# KiCad board FC_V5c.kicad_pcb (continued)
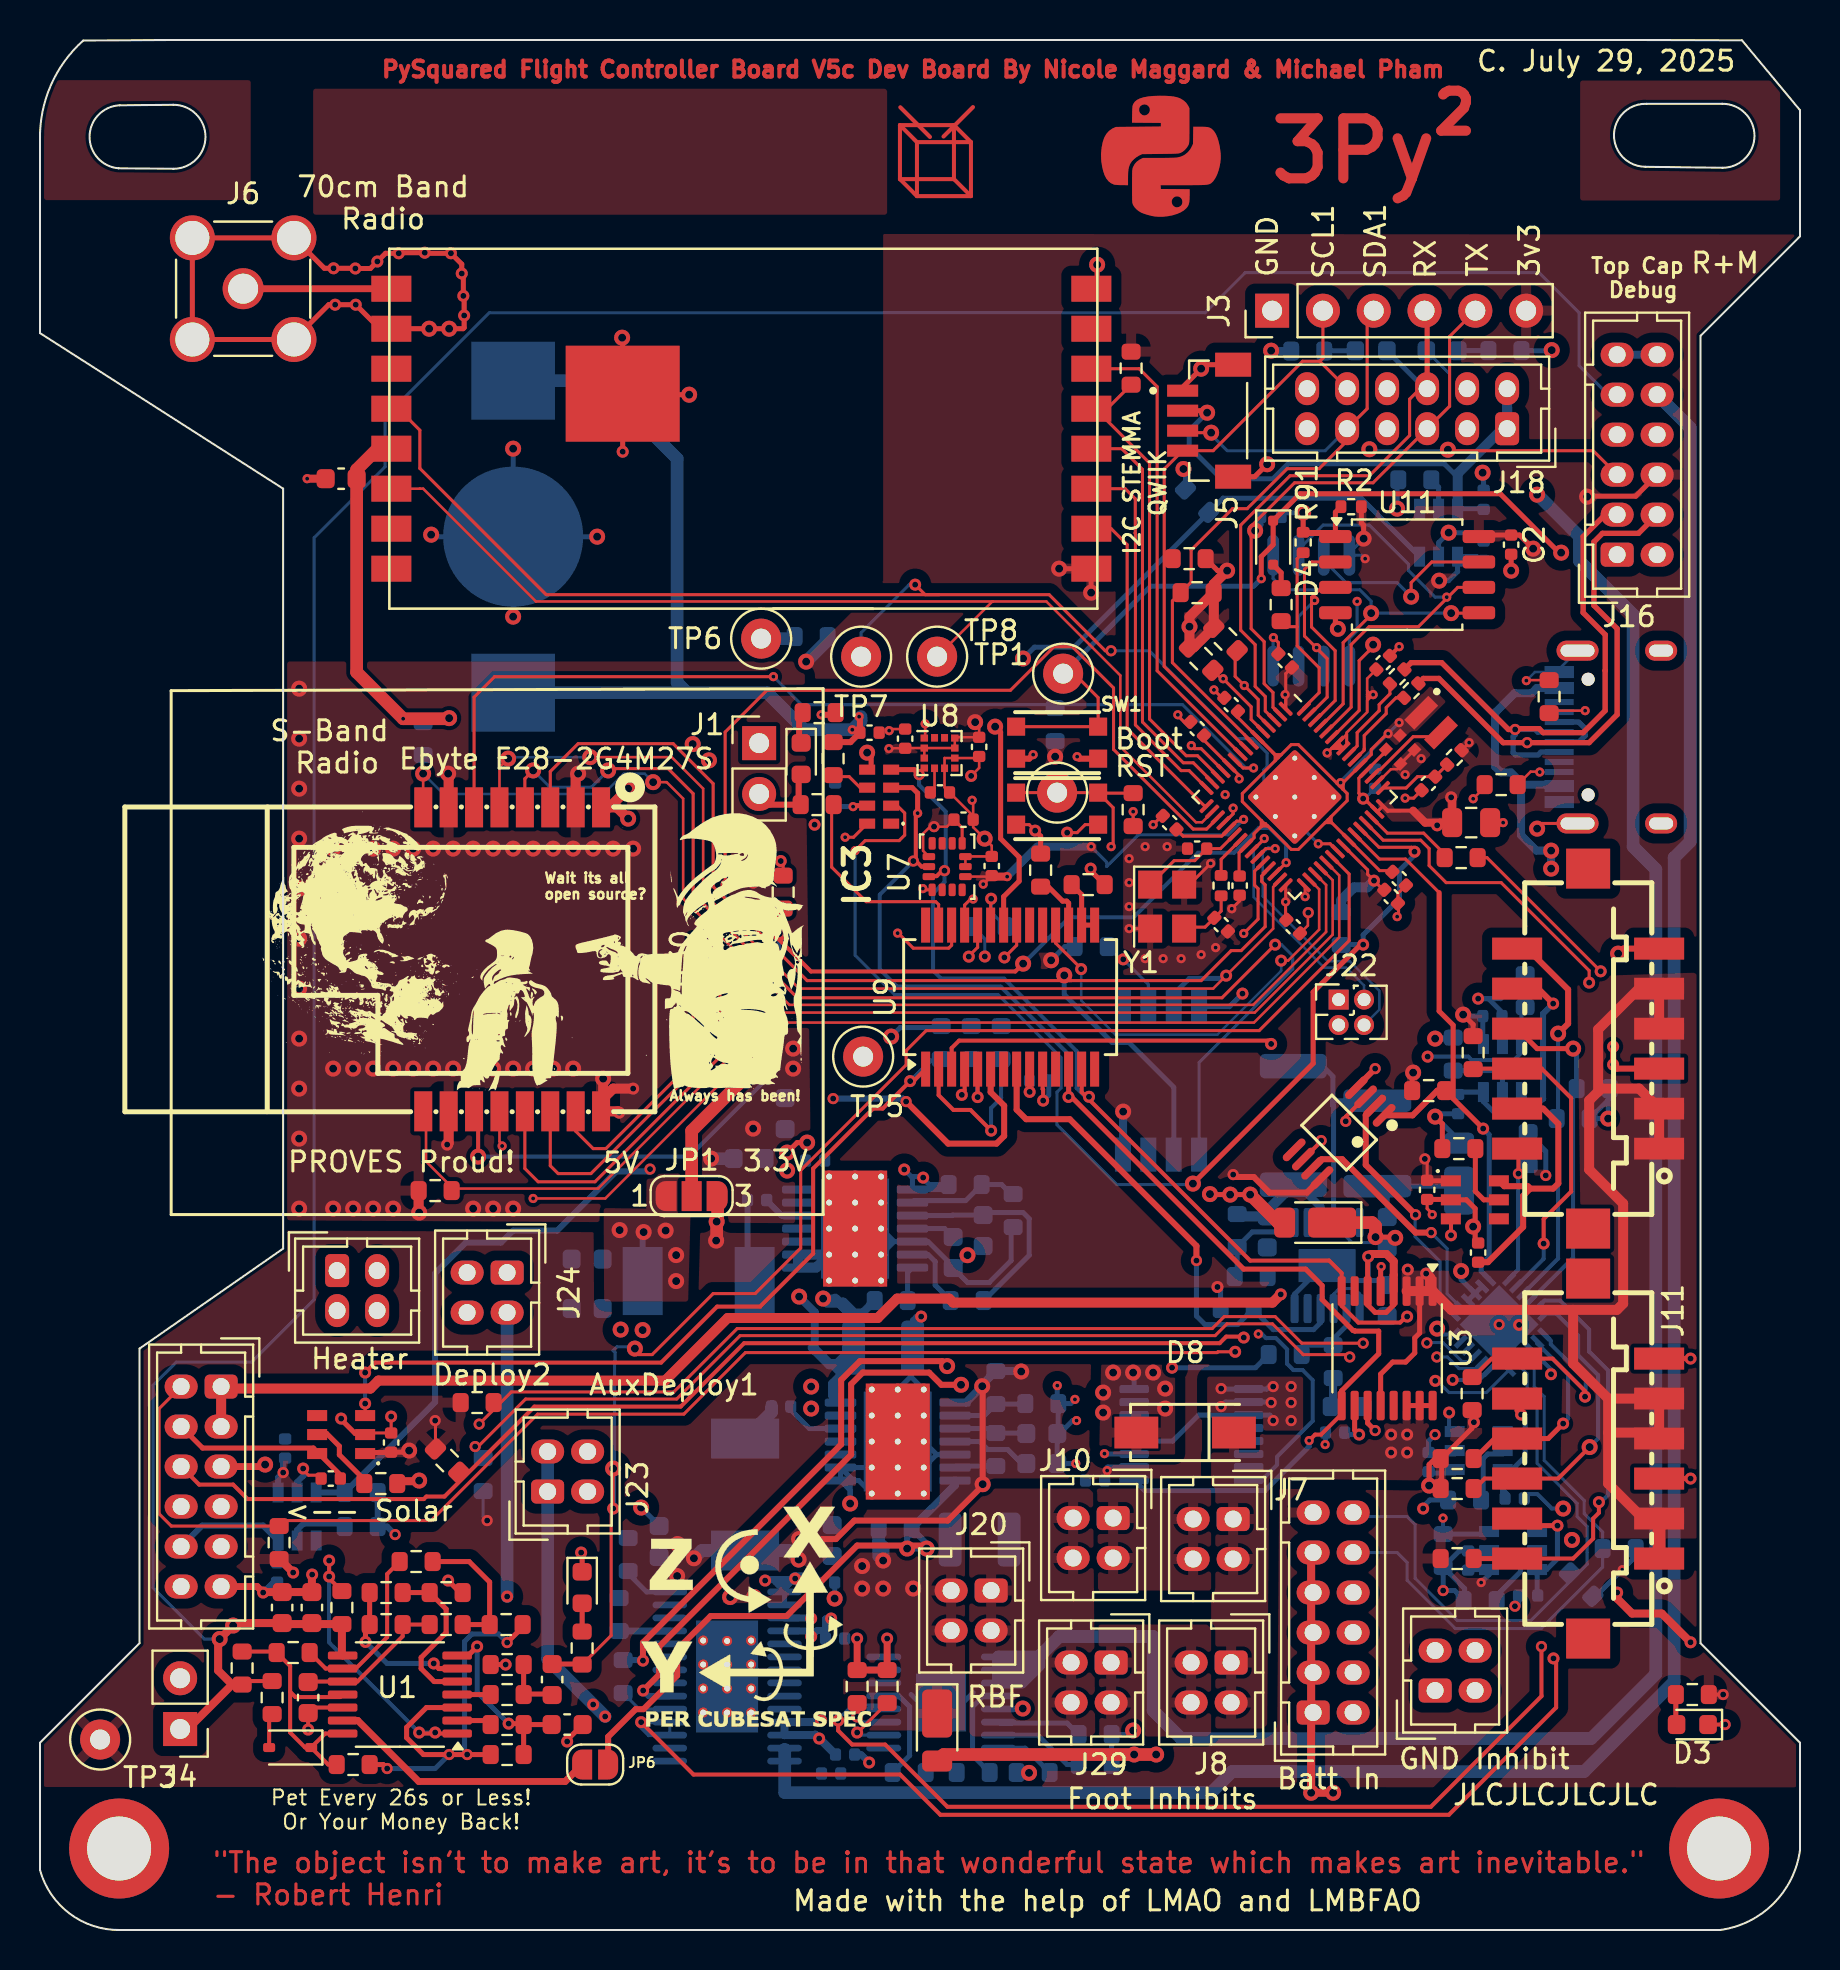
[diagram p0: board, top side]
## Footprints (pads in the part's own frame, mm; a bottom-side part is the same pattern mirrored in y, then rotated) (continued)
  rrect 0.2x0.875 smd: 16(-2.8,-3.438) 17(-2.4,-3.438) 18(-2,-3.438) 19(-1.6,-3.438) 20(-1.2,-3.438) 21(-0.8,-3.438) 22(-0.4,-3.438) 23(0,-3.438) 24(0.4,-3.438) 25(0.8,-3.438) 26(1.2,-3.438) 27(1.6,-3.438) 28(2,-3.438) 29(2.4,-3.438) 30(2.8,-3.438) 46(2.8,3.438) 47(2.4,3.438) 48(2,3.438) 49(1.6,3.438) 50(1.2,3.438) 51(0.8,3.438) 52(0.4,3.438) 53(0,3.438) 54(-0.4,3.438) 55(-0.8,3.438) 56(-1.2,3.438) 57(-1.6,3.438) 58(-2,3.438) 59(-2.4,3.438) 60(-2.8,3.438)
  round 0.6 hole 0.25: 61(-1.375,1.375) 61(-1.375,0) 61(-1.375,-1.375) 61(0,1.375) 61(0,0) 61(0,-1.375) 61(1.375,1.375) 61(1.375,0) 61(1.375,-1.375)
  rrect 3.4x3.4 smd: 61(0,0)
RV3028C7
  rect 0.5x0.8 smd: 1(-1.35,-0.6) 2(-0.45,-0.6) 3(0.45,-0.6) 4(1.35,-0.6) 5(1.35,0.6) 6(0.45,0.6) 7(-0.45,0.6) 8(-1.35,0.6)
SMA_Amphenol_901-144_Vertical
  round 2.05 hole 1.5: 1(0,0)
  round 2.25 hole 1.7: 2(-2.54,2.54) 2(-2.54,-2.54) 2(2.54,2.54) 2(2.54,-2.54)
SMA_L4.3-W2.5-LS5.0-FD
  rect 2.19x1.59 smd: 1(-2.44,0) 2(2.44,0)
SOIC-8_5.3x5.3mm_P1.27mm
  rrect 1.625x0.65 smd: 1(-3.587,1.905) 2(-3.587,0.635) 3(-3.587,-0.635) 4(-3.587,-1.905) 5(3.587,-1.905) 6(3.587,-0.635) 7(3.587,0.635) 8(3.587,1.905)
SOIC-8_L4.9-W3.9-P1.27-LS6.0-BL
  oval 0.59x2.05 smd: 1(-1.91,-2.77) 2(-0.63,-2.77) 3(0.63,-2.77) 4(1.9,-2.77) 5(1.9,2.77) 6(0.63,2.77) 7(-0.63,2.77) 8(-1.91,2.77)
SolderJumper-2_P1.3mm_Open_RoundedPad1.0x1.5mm
  custom 1x1.5 smd: 1(-0.65,0) 2(0.65,0)
SolderJumper-3_P1.3mm_Open_RoundedPad1.0x1.5mm_NumberLabels
  custom 1.05x1.5 smd: 1(-1.3,0) 3(1.3,0)
  rect 1x1.5 smd: 2(0,0)
SOT26
  rect 0.55x1 smd: 1(-0.95,-1.2) 2(0,-1.2) 3(0.95,-1.2) 4(0.95,1.2) 5(0,1.2) 6(-0.95,1.2)
SSOP-28_5.3x10.2mm_P0.65mm
  rect 1.75x0.45 smd: 1(-3.6,4.225) 2(-3.6,3.575) 3(-3.6,2.925) 4(-3.6,2.275) 5(-3.6,1.625) 6(-3.6,0.975) 7(-3.6,0.325) 8(-3.6,-0.325) 9(-3.6,-0.975) 10(-3.6,-1.625) 11(-3.6,-2.275) 12(-3.6,-2.925) 13(-3.6,-3.575) 14(-3.6,-4.225) 15(3.6,-4.225) 16(3.6,-3.575) 17(3.6,-2.925) 18(3.6,-2.275) 19(3.6,-1.625) 20(3.6,-0.975) 21(3.6,-0.325) 22(3.6,0.325) 23(3.6,0.975) 24(3.6,1.625) 25(3.6,2.275) 26(3.6,2.925) 27(3.6,3.575) 28(3.6,4.225)
TestPoint_Loop_D1.80mm_Drill1.0mm_Beaded
  round 2 hole 1: 1(0,0)
TSSOP-14_4.4x5mm_P0.65mm
  rrect 1.475x0.4 smd: 1(-2.862,1.95) 2(-2.862,1.3) 3(-2.862,0.65) 4(-2.862,0) 5(-2.862,-0.65) 6(-2.862,-1.3) 7(-2.862,-1.95) 8(2.862,-1.95) 9(2.862,-1.3) 10(2.862,-0.65) 11(2.862,0) 12(2.862,0.65) 13(2.862,1.3) 14(2.862,1.95)
TSSOP-16_4.4x5mm_P0.65mm
  rrect 1.475x0.4 smd: 1(-2.862,2.275) 2(-2.862,1.625) 3(-2.862,0.975) 4(-2.862,0.325) 5(-2.862,-0.325) 6(-2.862,-0.975) 7(-2.862,-1.625) 8(-2.862,-2.275) 9(2.862,-2.275) 10(2.862,-1.625) 11(2.862,-0.975) 12(2.862,-0.325) 13(2.862,0.325) 14(2.862,0.975) 15(2.862,1.625) 16(2.862,2.275)
unnamed
  round 5 hole 3.2: 1(0,0)
USB_C_Receptacle_HRO_TYPE-C-31-M-12
  round 0.65 hole 0.65 unplated: (-2.89,2.6) (2.89,2.6)
  rect 0.6x1.45 smd: A1(-3.25,4.045) A4(-2.45,4.045) A9(2.45,4.045) A12(3.25,4.045) B1(3.25,4.045) B4(2.45,4.045) B9(-2.45,4.045) B12(-3.25,4.045)
  rect 0.3x1.45 smd: A5(-1.25,4.045) A6(-0.25,4.045) A7(0.25,4.045) A8(1.25,4.045) B5(1.75,4.045) B6(0.75,4.045) B7(-0.75,4.045) B8(-1.75,4.045)
  oval 1x1.6 hole 0.6x1.2: S1(-4.32,-1.05) S1(4.32,-1.05)
  oval 1x2.1 hole 0.6x1.7: S1(-4.32,3.13) S1(4.32,3.13)
VSSOP-8_L3.0-W3.0-P0.65-LS4.9-BL
  oval 0.38x1.45 smd: 1(-0.98,-2.2) 2(-0.32,-2.2) 3(0.33,-2.2) 4(0.98,-2.2) 5(0.98,2.2) 6(0.33,2.2) 7(-0.32,2.2) 8(-0.98,2.2)
WIRELM-SMD_E28-2G4M2XS
  rect 2x0.9 smd: 1(-7.6,4.45) 2(-7.6,3.18) 3(-7.6,1.91) 4(-7.6,0.64) 5(-7.6,-0.63) 6(-7.6,-1.9) 7(-7.6,-3.17) 8(-7.6,-4.44) 9(7.6,-4.44) 10(7.6,-3.17) 11(7.6,-1.9) 12(7.6,-0.63) 13(7.6,0.64) 14(7.6,1.91) 15(7.6,3.18) 16(7.6,4.45)

## Nets
3.3V: C2.1 C15.2 C16.2 C18.1 C29.2 C30.1 C32.1 C33.1 C34.1 C35.1 C38.1 C39.1 C47.1 C49.1 C50.1 C53.1 C59.1 C65.1 C71.1 C72.1 C73.1 C74.1 C75.1 C76.1 C77.1 C78.1 C79.1 IC3.7 J1.1 J3.6 J14.11 J16.6 JP1.3 L4.1 R1.1 R2.1 R5.2 R6.2 R11.2 R13.1 R14.2 R15.1 R25.2 R38.2 R39.2 R41.2 R44.2 R45.2 R53.2 R56.2 R57.2 R58.2 R59.2 R60.2 R61.2 R62.2 R70.1 R72.2 R73.2 R80.1 R88.2 R89.2 R90.2 R92.1 R94.1 TP3.1 U2.8 U3.5 U3.10 U4.9 U5.8 U7.1 U7.5 U7.8 U7.12 U8.2 U8.3 U8.9 U8.10 U9.9 U10.1 U11.8 U12.18 U12.21 U12.22 U12.23 U14.8 U18.1 U18.11 U18.20 U18.30 U18.38 U18.44 U18.45 U18.49 U18.53 U18.54 U19.1 U21.1 U22.1 U23.1 U24.1 U26.10 U27.1 U29.1 U30.1
+1V1: C66.1 C67.1 C69.1 C70.1 L3.1 U18.6 U18.23 U18.39 U18.50
+5V: C7.1 C8.1 JP1.1 L5.2 R23.1 TP5.1 U13.1
/Power Systems/3v3SW: C27.1 L4.2 U10.10 U10.11
/Power Systems/5vSW: C5.2 L5.1 U13.10 U13.11
/Power Systems/VBATT_SENSE: C42.1 D8.1 D12.2 IC6.9 R71.2 R75.1 U26.14 U26.15 U26.16
GND: BT1.3 C1.2 C2.2 C3.2 C4.2 C6.1 C7.2 C8.2 C9.1 C14.1 C15.1 C16.1 C18.2 C19.2 C21.1 C22.1 C23.1 C24.1 C25.2 C26.2 C29.1 C30.2 C31.2 C32.2 C33.2 C34.2 C35.2 C36.2 C37.2 C38.2 C39.2 C40.2 C42.2 C44.2 C47.2 C48.2 C49.2 C50.2 C51.2 C52.2 C53.2 C54.2 C55.2 C56.2 C57.2 C58.2 C59.2 C60.2 C63.2 C64.2 C65.2 C66.2 C67.2 C68.2 C69.2 C70.2 C71.2 C72.2 C73.2 C74.2 C75.2 C76.2 C77.2 C78.2 C79.2 C80.2 D3.1 D6.1 D13.2 IC3.5 IC6.6 IC6.13 J2.5 J2.11 J3.1 J4.2 J5.1 J5.S1 J5.S2 J6.2 J11.5 J11.11 J12.A1 J12.A12 J12.B1 J12.B12 J12.S1 J16.11 J16.12 J17.5 J17.11 J18.3 J18.4 J18.11 J18.12 J19.2 J19.4 J21.2 J21.4 J22.3 J23.2 J23.4 J24.2 J24.4 R3.2 R4.2 R12.2 R20.2 R22.2 R24.1 R26.1 R27.1 R40.1 R42.2 R46.1 R47.1 R48.1 R49.1 R50.1 R51.1 R52.1 R54.1 R55.2 R67.1 R68.1 R69.1 R74.1 R76.1 R77.1 R78.1 R79.1 R81.2 R82.1 R85.1 R86.1 R87.1 R95.2 R96.2 R101.2 R102.2 SW1.B SW1.B' SW2.B SW2.B' U1.12 U2.4 U3.4 U3.6 U3.11 U4.2 U4.16 U4.17 U5.4 U6.1 U6.12 U6.13 U6.29 U7.6 U7.7 U8.6 U8.8 U9.10 U10.5 U10.8 U10.9 U10.15 U11.4 U12.9 U12.25 U13.5 U13.8 U13.9 U13.15 U14.4 U18.47 U18.61 U19.2 U21.2 U22.2 U23.2 U24.2 U25.1 U26.4 U26.5 U26.6 U26.11 U27.2 U29.2 U30.2 U30.7 U30.10 U30.16 Y1.2 Y1.4
VBUS: D15.2 J12.A4 J12.A9 J12.B4 J12.B9
VBUSP: C1.1 C3.1 C6.2 C19.1 C25.1 D15.1 J20.2 J20.4 R16.1 R30.1 R36.2 R83.1 R84.1 R124.1 R125.1 U1.3 U10.13 U10.14 U13.13 U13.14 U25.17
/Power Systems/B-: J14.2 J14.4 J14.6 J14.8 J19.1 J19.3
/Power Systems/IN_RBF: J10.2 J10.4 J20.1 J20.3 J29.2 J29.4
/Power Systems/INHIB_1: J8.2 J8.4 J29.1 J29.3
/Power Systems/INHIB_2: J7.2 J7.4 J10.1 J10.3
/Power Systems/Load Switches/Deploy1_EN: R104.1 U6.3 U6.4
/Power Systems/Load Switches/Deploy2_EN: R103.1 U6.6
/Power Systems/Load Switches/Heater_EN: R100.1 U6.5
/Power Systems/Load Switches/High Power Interstage: U6.20 U6.21 U6.22 U6.23 U25.6 U25.7 U25.8
/Power Systems/Load Switches/ILIM1: R84.2 U25.5
/Power Systems/Load Switches/ILIM2: R83.2 U25.12
/Power Systems/V_SYS: C40.1 D8.2 IC6.1 IC6.3 J7.1 J7.3 J8.1 J8.3 R65.1 U3.14 U3.15 U3.16
/RF1_ANT: J6.1 U4.1
/RP2350AHHHHHHHHH/FLASH_SS: R2.2 R9.2 R91.2 U11.1
/RP2350AHHHHHHHHH/PSRAM_CS: U5.1 U18.12
/RP2350AHHHHHHHHH/QSPI_SCLK: U5.6 U11.6 U18.56
/RP2350AHHHHHHHHH/QSPI_SD0: U5.5 U11.5 U18.57
/RP2350AHHHHHHHHH/QSPI_SD1: U5.2 U11.2 U18.59
/RP2350AHHHHHHHHH/QSPI_SD2: U5.3 U11.3 U18.58
/RP2350AHHHHHHHHH/QSPI_SD3: U5.7 U11.7 U18.55
/RP2350AHHHHHHHHH/VREG_AVDD: C68.1 R94.2 U18.46
/RP2350AHHHHHHHHH/VREG_LX: L3.2 U18.48
/RP2350AHHHHHHHHH/XIN: C63.1 U18.21 Y1.1
/RP2350AHHHHHHHHH/XOUT: R93.1 U18.22
/Watchdog Circuit/WDT-VP: R19.2 R20.1 U1.5
BATT_SCL: J14.12 R89.1 U12.11
BATT_SDA: J14.10 R88.1 U12.10
BOOTSEL: R10.1 R91.1 U18.60
DEPLOY1: C54.1 J16.10 U6.27 U6.28
DEPLOY1_AUX: C56.1 J23.1 J23.3 U6.25 U6.26
DEPLOY2: C57.1 J24.1 J24.3 U6.17 U6.18
Dir_Chrg_In: J14.1 J14.3 J14.5 J14.7 J14.9 J16.8 U26.1 U26.2 U26.3 U26.12
ENABLE_Heater: R100.2 U9.21
F0_PWR: C44.1 J2.4 U19.6
F0_SCL: J2.6 R44.1 U12.2
F0_SDA: J2.2 R62.1 U12.1
F1_PWR: C48.1 J2.10 U21.6
F1_SCL: J2.8 R45.1 U12.4
F1_SDA: J2.12 R61.1 U12.3
F2_PWR: C51.1 J11.4 U22.6
F2_SCL: J11.6 R53.1 U12.6
F2_SDA: J11.2 R60.1 U12.5
F3_PWR: C55.1 J11.10 U24.6
F3_SCL: J11.8 R56.1 U12.8
F3_SDA: J11.12 R59.1 U12.7
F4_PWR: C52.1 J17.4 U23.6
F4_SCL: J17.6 R57.1 U12.13
F4_SDA: J17.2 R58.1 U12.12
F5_PWR: C60.1 J17.10 U27.6
F5_SCL: J17.12 R72.1 U12.15
F5_SDA: J17.8 R73.1 U12.14
FACE0_ENABLE: R67.2 U9.2 U19.3
FACE1_ENABLE: R68.2 U9.3 U21.3
FACE2_ENABLE: R76.2 U9.4 U22.3
FACE3_ENABLE: R78.2 U9.5 U24.3
FACE4_ENABLE: R77.2 U9.1 U23.3
FACE5_ENABLE: R87.2 U9.6 U27.3
FC_RESET: J16.2 J22.1 R1.2 SW2.A SW2.A' TP2.1 U18.26
FIRE_DEPLOY1_A: U18.42 U25.4
FIRE_DEPLOY1_B: R104.2 U18.43
FIRE_DEPLOY2_B: R103.2 U9.23
Heater Output: C58.1 J21.1 J21.3 U6.15 U6.16
PAYLOAD_BATT: J18.7 J18.8 U25.9 U25.10 U25.11
PAYLOAD_BATT_ENABLE: U9.24 U25.13
PAYLOAD_PWR: C80.1 J5.2 J18.1 J18.2 U29.6
PAYLOAD_PWR_ENABLE: R79.2 U9.22 U29.3
READONLY: R97.2 U9.27
RF1_IO0: TP8.1 U4.6 U18.17
RF1_IO4: TP7.1 U4.4 U18.37
RF1_RST: U4.14 U18.9
RF2_IO0: U18.35 U30.12
RF2_IO1: U9.26 U30.13
RF2_IO2: U9.25 U30.14
RF2_IO3: U18.18 U30.15
RF2_RST: R92.2 U18.28 U30.11
RF2_RX_EN: R96.1 U18.33 U30.8
RF2_TX_EN: R95.1 U18.34 U30.9
RF_VCC: C14.2 JP1.2 U4.5
RTC_INT: IC3.2 R5.1 U18.41
RX: D2.2 J3.4 J18.6 U18.3
SCL0: J3.2 J5.4 J16.7 J18.10 R6.1 U18.8
SCL1: IC3.3 R39.1 U3.9 U7.13 U8.1 U9.12 U14.3 U18.5 U26.9
SDA0: J3.3 J5.3 J16.5 J18.9 R25.1 U18.7
SDA1: IC3.4 R41.1 U3.8 U7.14 U8.4 U9.13 U14.6 U18.4 U26.8
SPI0_CS0: R13.2 U4.13 U18.13
SPI0_CS1: U9.7
SPI0_MISO: U4.10 U18.16
SPI0_MOSI: U4.11 U18.15
SPI0_SCK: U4.12 U18.14
SPI1_CS0: R90.1 U18.10 U30.6
SPI1_CS1: R11.1 U2.2 U18.19
SPI1_MISO: U2.6 U18.27 U30.3
SPI1_MOSI: U2.5 U18.31 U30.4
SPI1_SCK: U2.3 U18.29 U30.5
SWCLK: J22.2 U18.24
SWDIO: J22.4 U18.25
TX: D1.2 J3.5 J18.5 R9.1 U18.2
USB_D+: J12.A6 J12.B6 J16.3 R8.2
USB_D-: J12.A7 J12.B7 J16.4 R7.2
USB_DM: R7.1 U18.51
USB_DP: R8.1 U18.52
USBBOOT: D4.1 J16.1 SW1.A SW1.A' TP1.1
VSOLAR: J2.1 J2.3 J2.7 J2.9 J11.1 J11.3 J11.7 J11.9 J17.1 J17.3 J17.7 J17.9 U3.1 U3.2 U3.3 U3.12
WDT_DISABLE: C22.2 C23.2 J4.1 J16.9 R31.2 R33.2 R35.2 U1.8
WDT_WDI: C20.1 R21.1 U18.36
~{3v3_RESET}: JP6.2 R124.2 U10.7
~{CHARGE}: IC6.4 R70.2 U9.8
~{GPIO_EXPANDER_RESET}: U9.18 U18.32
~{MUX_RESET}: R15.2 U12.24 U14.1 U18.40
Net-(BT1-+-Pad1): BT1.1 BT1.2 C26.1 R64.2
Net-(C20-Pad2): C20.2 R22.1 R28.1
Net-(C64-Pad1): C64.1 R93.2 Y1.3
Net-(D1-K): D1.1 R4.1
Net-(D2-K): D2.1 R3.1
Net-(D3-A): D3.2 R80.2
Net-(D4-A): D4.2 R10.2
Net-(D5-A): D5.2 J1.2 R97.1
Net-(D5-K): D5.1 R12.1
Net-(D6-A): D6.2 R21.2
Net-(D7-Pad2): D7.2 R33.1
Net-(D12-K): C41.2 D12.1 IC6.11
Net-(D13-K): C41.1 D13.1 IC6.12 L2.1
Net-(IC3-EVI): IC3.8 R14.1 TP6.1
Net-(IC3-VBACKUP): IC3.6 R64.1
Net-(IC6-SENSE): IC6.10 L2.2 R75.2
Net-(IC6-VFB): IC6.7 R71.1 R74.2
Net-(IC6-VIN_REG): IC6.2 R66.2 R69.2
Net-(J12-CC1): J12.A5 R26.2
Net-(J12-CC2): J12.B5 R27.2
Net-(JP6-A): JP6.1 U1.13
Net-(R16-Pad2): R16.2 R17.1 R32.2
Net-(R29-Pad1): R29.1 U1.2
Net-(R31-Pad1): R31.1 U1.1
Net-(R65-Pad2): R65.2 R66.1
Net-(U1A--): R28.2 U1.4
Net-(U1B-+): C21.2 R29.2 R30.2 U1.7
Net-(U1B--): R18.2 R19.1 U1.6
Net-(U1C-+): R32.1 R34.1 U1.9
Net-(U1D-+): D7.1 R34.2 R35.1 R36.1 U1.11 U1.14
Net-(U1D--): C24.2 R17.2 R18.1 U1.10
Net-(U6-CL): R102.1 U6.11
Net-(U6-DIAG_EN): R101.1 U6.14
Net-(U8-C1): C31.1 U8.5
Net-(U9-A0): R24.2 U9.15 U9.16
Net-(U9-A2): R52.2 U9.17
Net-(U10-PG): R43.1 U10.6
Net-(U10-SS): C36.1 U10.4
Net-(U10-VBST): C27.2 U10.12
Net-(U10-VFB): R38.1 R40.2 U10.2
Net-(U10-VREG5): C37.1 R43.2 U10.3
Net-(U12A-SCL): U12.19 U14.2
Net-(U12A-SDA): U12.20 U14.7
Net-(U13-EN): R125.2 U13.7
Net-(U13-PG): R63.2 U13.6
Net-(U13-SS): C9.2 U13.4
Net-(U13-VBST): C5.1 U13.12
Net-(U13-VFB): R23.2 R42.1 U13.2
Net-(U13-VREG5): C4.1 R63.1 U13.3
Net-(U19-ILIM): R46.2 U19.5
Net-(U21-ILIM): R51.2 U21.5
Net-(U22-ILIM): R47.2 U22.5
Net-(U23-ILIM): R48.2 U23.5
Net-(U24-ILIM): R49.2 U24.5
Net-(U25-DIA_EN): R55.1 U25.16
Net-(U25-LATCH): R54.2 U25.3
Net-(U25-SEL1): R85.2 U25.14
Net-(U25-SEL2): R82.2 U25.15
Net-(U25-SNS): R81.1 U25.2
Net-(U27-ILIM): R86.2 U27.5
Net-(U29-ILIM): R50.2 U29.5

Pads without a net: H1 1; H2 1; IC3 1; IC6 5 8; J2 13 14; J11 13 14; J12 A8 B8; U2 1 7; U3 7 13; U4 3 7 8 15; U6 2 7 8 9 10 19 24; U7 2 3 4 9 10 11; U8 7 11 12; U9 11 14 19 20 28; U12 16 17; U14 5; U19 4; U21 4; U22 4; U23 4; U24 4; U26 7 13; U27 4; U29 4

## Via types
v1: diameter 0.8, hole 0.4, Top to Bottom, 204 vias
v2: diameter 0.56, hole 0.3, Top to Bottom, 51 vias
v3: diameter 0.6, hole 0.3, Top to Bottom, 135 vias
v4: diameter 0.46, hole 0.2, Top to Bottom, 99 vias

## Routing (per net, layer and track width the routed paths; a pad name or vN(x,y) marks a point on that pad's centre or on a via; arc(x,y) is an arc through that point)
3.3V: length 222.1
  Top w0.127: U7.5 47.54,52.67 ; v4(42.45,59.08) 42.47,59.09 C33.1 ; v4(66.66,61.77) 66.36,61.77 ; v4(66.66,61.77) 66.56,61.67 66.36,61.67 ; v4(66.66,61.77) 66.36,61.47 66.36,60.97 ; v4(66.66,61.77) 66.56,61.77 66.36,61.97 ; 66.36,61.77 66.36,61.97 ; 66.36,61.77 66.36,61.67 ; U8.3 U8.2 ; U8.2 U8.9 U8.10 ; U8.2 43.27,59.1 ; 66.36,61.97 66.36,62.57 C74.1 ; 45.78,59.64 C34.1 46.96,60.2 v1(46.76,60.4) ; U7.12 44.15,53.96 44.15,54.82 44.51,55.17 v2(44.7,55.17) 45.35,55.17 C32.1 ; 66.36,60.97 66.36,60.9 65.34,59.88 65.34,59.8 64.88,59.34 ; 66.36,60.97 66.36,61.67
  Top w0.152: v3(37.04,53.45) 37.16,53.33 R92.1 ; 64.96,59.09 U18.53 U18.54 64.96,59.3 64.96,59.09 ; 64.96,59.09 64.86,59.09 ; v2(69.24,38.56) 69.36,38.44 C38.1 ; U18.44 66.21,56.57 v3(66.16,56.57) ; U18.44 65.94,56.84 65.94,57.6 U18.49 67.12,58.77 67.16,58.77 ; U18.44 U18.45 ; 67.09,52.14 67.03,52.14 v3(66.7,52.47) 66.38,52.79 66.38,53.01 U18.38 ; v4(47.16,52.3) C35.1 ; 64.86,59.34 64.86,59.09 ; 64.86,59.09 64.58,59.09 v4(64.36,58.86) ; v4(59.96,57.56) 59.96,57.74 U18.11 58.2,59.5 ; 65.34,59.25 65.34,59.8 ; R1.1 v4(54.66,55.93) ; U7.1 44.2,52.01 v4(44.14,52.08) ; R94.1 v4(71.46,59.37) ; R57.2 19.77,25.46 v2(19.76,25.47) ; U18.30 62.29,51.42 v4(62.28,51.41) 62.28,50.55 ; U7.8 46.11,55.11 C32.1 ; v4(60.18,55.54) 60.09,55.45 59.83,55.45 U18.20 59.08,54.7 57.16,54.7 C71.1 ; C73.1 62.29,62.83 U18.1 62.29,61.74 v4(62.26,61.77)
  Top w0.2: v2(84.16,11.77) R80.1 ; 71.36,45.57 v1(71.16,45.77) ; 67.38,55.97 68.66,55.97
  Top w0.25: v1(68.66,42.87) 68.61,42.82 R15.1 ; 72.02,69.75 C2.1 73.98,69.75 v1(74.66,69.07) ; R6.2 58.88,67.97 v1(59.36,67.97) ; R44.2 71.66,45.27 v1(71.16,45.77) ; 70.54,37.46 69.27,37.46 ; C50.1 18.38,23.89 v1(18.46,23.97) ; 71.73,25.93 71.73,25.41 71.71,25.39 v3(71.69,25.39) 71.59,25.29 71.59,25.08 70.08,23.57 ; v3(65.96,24.77) 65.73,25 U3.10 ; v2(69.24,38.56) 69.25,38.57 ; 70.08,22.57 69.73,22.22 v1(69.45,22.22) 69.45,23.27 69.76,23.57 70.08,23.57 ; v1(52.56,66.87) 52.56,68.06 U4.9 50.96,68.07 v1(50.96,68.07) ; 16.26,23.88 17.54,23.88 ; J16.6 79.78,71.7 77.38,71.7 v1(77.36,71.67) ; v3(49.48,41.91) U9.9 ; v1(66.18,69.58) 66.18,70.25 66.07,70.36 R2.1 ; 70.08,23.57 70.08,22.07 ; U3.5 67.03,33.15 v4(67.06,33.17) ; v4(40.65,56.17) 40.7,56.22 IC3.7
  Top w0.3: v1(37.96,19.55) 39.79,19.55 40.72,20.47 45.38,20.47 47.13,22.22 v1(47.13,22.29) 47.13,27.17 v1(47.11,27.19) ; U14.8 63.34,36.87 61.47,36.87 60.69,37.65 59.78,37.65 v2(59.66,37.77)
  Top w0.4: v3(69.86,55.24) 69.99,55.37 C75.1 ; 11.98,18.57 11.98,18.55 v3(12.66,17.87) ; C75.1 70.61,56.59 v3(70.56,56.64) ; C75.1 69.26,55.37 68.66,55.97 ; v4(48.36,52.67) 47.64,52.67
  Top w0.5: 58.69,66.87 R41.2 57.71,64.16 R39.2 v1(57.47,65.17) 57.47,65.67 R25.2 58.68,67.3 v1(59.36,67.97) ; 38.23,63.35 v1(38.31,63.42) ; v1(29.41,55.57) 28.84,56.14 U30.1 28.47,56.14 v1(29.41,57.07)
  Top w0.635: v1(33.81,34.47) 33.83,34.5 v1(33.83,35.42) 33.88,35.47 33.88,36.7
  In1.Cu w0.5: 29.93,56.55 31.5,56.55 v1(33.45,58.49) v1(32.63,59.3) ; 29.93,56.55 29.41,56.02 v1(29.41,55.57) ; 29.93,56.55 v1(29.41,57.07)
  In2.Cu w0.152: v4(62.28,51.41) 62.81,51.95 62.81,53.73 61.01,55.54 v4(60.18,55.54) ; v4(47.16,52.3) 46.97,52.3 46.86,52.18 44.22,52.18 44.14,52.1 v4(44.14,52.08) ; v4(60.18,55.54) 59.41,54.77 53.15,54.77 v4(52.56,54.17) ; v4(60.18,55.54) 60.18,57.05 59.96,57.27 v4(59.96,57.56)
  In2.Cu w0.3: v1(34.51,16.65) v1(35.71,16.65) 37.78,16.65 38.43,17.3 38.43,18.03 v1(37.93,18.52) 37.93,19.52 v1(37.96,19.55)
  In2.Cu w0.635: J14.11 65.46,22.67 65.46,23.67
  Bottom w0.152: R73.2 22.16,20.67 v2(22.36,20.47) ; v4(60.18,55.54) 59.41,54.77 54.92,54.77 ; C76.1 66.24,56.57 v3(66.16,56.57) ; v4(52.56,54.17) 53.34,53.4 53.34,53.18 54.92,54.77 ; 54.92,54.77 54.66,55.03 v4(54.66,55.93) ; v1(66.18,69.58) 65.47,68.86 U5.8 66.09,68.74 v4(66.26,68.57)
  Bottom w0.2: 70.66,29.78 70.15,29.78 v1(69.86,30.07)
  Bottom w0.25: 70.73,22.85 69.5,22.85 ; v1(69.45,22.22) 69.45,22.9 ; R45.2 78.48,41.57 R61.2 v1(78.41,40.57) 78.41,42 ; 71.44,18.02 U22.1 72.46,17.77 v4(72.06,17.37) ; R89.2 77.79,16.69 v4(79.11,18.02) 79.68,18.58 79.68,19.07 ; v1(69.96,67.47) 70.43,67.47 70.88,67.93 U29.1 71.83,68.67 72.02,68.49 ; 74.41,39.82 75.29,38.95 75.29,37.73 v2(75.29,37.73) ; v3(65.96,24.77) 65.34,24.77 ; v1(71.06,32.95) 71.06,32.53 U12.22 ; U12.21 U12.22 ; U12.22 U12.23 ; v3(58.87,32.15) 59.03,31.99 R70.1 ; v4(40.65,56.17) 39.98,56.17 C18.1 ; R90.2 v1(50.76,58.67) ; 72.14,44.33 C47.1 71.23,45.7 v1(71.16,45.77) ; 53.36,22.59 v4(53.36,22.97) 53.36,23.12 53.38,23.15 U26.10 ; v3(49.48,41.91) 49.48,42.47 ; v1(50.55,48.49) 51.24,49.17 R11.2
  Bottom w0.3: C59.1 12.16,23.49 v2(12.16,22.87) 11.91,22.62 U27.1
  Bottom w0.4: 46.29,26.37 v1(47.11,27.19) 47.11,27.27 R38.2 49.04,27.95 v1(49.06,27.93) ; v1(54.16,40.92) 54.16,38.79 ; v4(52.56,54.17) 49.86,54.17 v4(48.36,52.67)
  Bottom w0.5: v3(66.7,52.47) 66.36,52.14 65.7,52.14 65.06,51.5 R5.2
  Bottom w0.635: v1(38.31,63.42) 39.38,64.5 R14.2 ; v1(37.93,18.52) 37.48,18.97 L4.1 33.08,18.97 v1(32.7,18.59)
  vias: v1(31.88,19.3) v1(31.86,17.7)
